# Altium PCB PCB1.PcbDoc (continued)
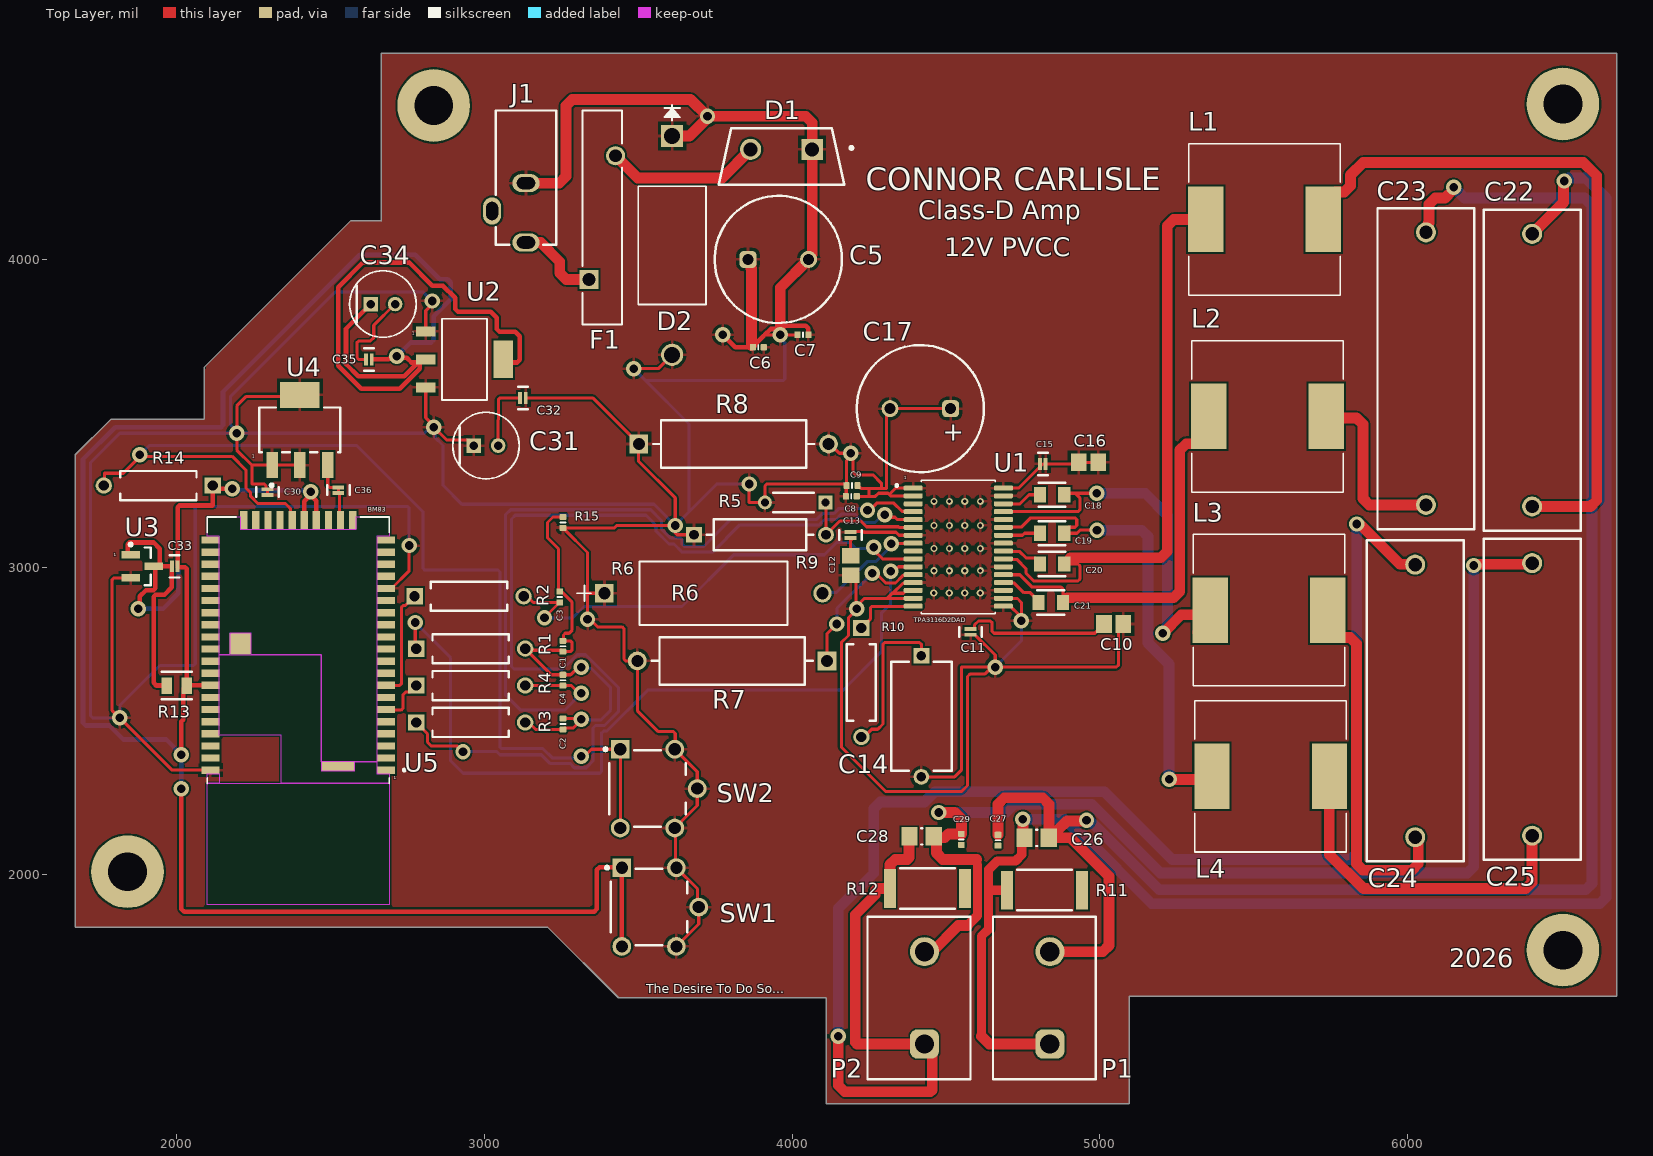
[diagram p0: Top Layer view]
## Part data
C1 C2 C3 C4: library part CMP-001-00068-4, "Chip Capacitor, 470pF +/-20%, 50V, 0402, Thickness 0.6 mm", Case/Package=0402, Max Operating Temperature=85°C, Min Operating Temperature=-55°C, Tolerance=20%, Voltage Rating=50V, Mounting Technology=SMT, Pins=2
C5 C17: library part CMP-03913-54007218-1, "860010475017 Aluminum Electrolytic Capacitor, Aluminum (wet)", Capacitance=1mF, Case/Package=Radial, Leakage Current=250µA, Max Operating Temperature=85°C, Min Operating Temperature=-40°C, Ripple Current=1.05A, Tolerance=20%, Voltage Rating=25V, Diameter=10mm, Height=20mm, Height - Seated (Max)=21.4884mm, Lead Pitch=5.0038mm, Length=20mm, Life (Hours)=2000hours, Material=Aluminium, Mount="Through Hole", NexarPartId=54007218, Packaging="Cut Tape (CT)", Pitch=5mm, Polarity=Polar, REACH SVHC=Unknown, RoHS=Compliant, Voltage Rating (DC)=25V
C6 C8: library part CMP-001-00063-3, "Chip Capacitor, 1µF +/-20%, 10V, 0402, Thickness 0.6 mm", Case/Package=0402, Max Operating Temperature=85°C, Min Operating Temperature=-55°C, Tolerance=10%, Voltage Rating=10V, Mounting Technology=SMT, Pins=2
C7 C9: library part CMP-001-00065-4, "Chip Capacitor, 100nF +/-20%, 25V, 0402, Thickness 0.6 mm", Case/Package=0402, Max Operating Temperature=85°C, Min Operating Temperature=-55°C, Tolerance=10%, Voltage Rating=25V, Mounting Technology=SMT, Pins=2
C10 C12 C16: library part CMP-2007-04663-1, "1 microfarad", Manufacturer="AVX Interconnect / Elco", Part Number=0805YD105MAT2A
C11 C13 C15 C30 C32 C33 C35 C36: library part CMP-14477-001862-2, ".1 microfarad", Capacitance=100nF, Tolerance=20%, Voltage Rating (DC)=6.3V, Halogen Free="Halogen Free", RoHS Compliant=Yes
C14: library part CMP-02417-000063-1, "CAP CER 1000PF 760VAC Y5U RADIAL", Capacitance=1nF, Case/Package=Radial, Dielectric=Y5U, Max Operating Temperature=125°C, Min Operating Temperature=-40°C, Package Quantity=500, Resistor Type=Ceramic, Tolerance=20%, Voltage=500V, Construction=RADIAL, Contact Plating=Tin, Depth=5mm, Diameter=9mm, Height=12mm, Height - Seated (Max)=0.512inch, Lead Diameter=0.6mm, Lead Pitch=10mm, Lead/Base Style=Kinked, Mount="Through Hole", Packaging="Tape and Reel", Radiation Hardening=No, RoHS Compliant=Yes, Series=VY1, Termination=Radial, Voltage Rating (AC)=500V, Voltage Rating (DC)=500V
C18 C19 C20 C21: library part CMP-04427-012849-1, "Automotive Ceramic Capacitor, 0805, 220nF, 10%, X7R, 15%, 100V", Capacitance=220nF, Case/Package=0805, Dielectric=X7R, Max Operating Temperature=125°C, Min Operating Temperature=-55°C, Tolerance=10%, Voltage Rating (DC)=100V, Contact Plating=Tin, Length=2.01mm, Mount="Surface Mount", RoHS Compliant=Yes, Termination=Wraparound
C22 C23 C24 C25: library part CMP-03913-52220399-4, "Film Capacitor, WCAP-FTXX Series, 0.68 F, 10%, PP (Polypropylene), 310 VAC", Capacitance=680nF, Case/Package=Radial, Dielectric=PP, Insulation Resistance=14.71GΩ, Max Operating Temperature=105°C, Min Operating Temperature=-40°C, Tolerance=10%, Voltage Rating=310V, Dielectric Material=PP, Height=15mm, Height - Seated (Max)=15.494mm, Hole Diameter=1.1mm, Lead Pitch=22.5044mm, Length=26mm, Mount="Through Hole", Packaging=Bulk, Pin Length=18mm, Pitch=22.5mm, REACH SVHC=Unknown, RoHS=Compliant, Termination="PC Pins", Voltage Rating (AC)=310V, Voltage Rating (DC)=310V, Width=7.5mm
C26 C28: library part CMP-1036-04697-1, "CAP 680nF 16V ±10% 0805 (2012 Metric) Thickness 1.45mm SMD", Case-EIA=0805, Case-Metric=2012, Rated Voltage="16 V", Tolerance=Â±10%, Max Thickness="1.45 mm", Technology=SMT
C27 C29: library part CMP-001-00069-3, "Chip Capacitor, 10nF +/-20%, 50V, 0402, Thickness 0.6 mm", Case/Package=0402, Max Operating Temperature=85°C, Min Operating Temperature=-55°C, Tolerance=5%, Voltage Rating=50V, Mounting Technology=SMT, Pins=2
C31 C34: library part CMP-05427-000260-1, "Aluminum Electrolytic Capacitors (Radial Lead Type) AEC-Q200 Qualified 10uF ±20% 50V", Capacitance=10uF, Case/Package=Radial, Leakage Current=3uA, Max Operating Temperature=105°C, Min Operating Temperature=-55°C, Package Quantity=2000, Ripple Current=39mA, Tolerance=20%, Voltage Rating=50V, Construction=RADIAL, Contact Plating=Tin, Diameter=5mm, Height=11mm, Height - Seated (Max)=0.472inch, Lead Diameter=0.5mm, Lead Free="Lead Free", Lead Pitch=2.5mm, Lead/Base Style=Straight, Length=11mm, Life (Hours)=1000Hour, Mount="Through Hole", Packaging="Ammo Pack", Polarity=Polar, Radiation Hardening=No, RoHS Compliant=Yes, Series=NHG, Termination=Radial, Voltage Rating (DC)=50V
D1: library part CMP-00278-20838014-1, "MBR760 Diode Schottky 60V 7.5A 2-Pin(2+Tab) TO-220AC Rail", Average Rectified Current=7.5A, Case/Package=TO-220-2, Forward Voltage=750mV, Manufacturer Lifecycle Status=ACTIVE, Max Forward Surge Current (Ifsm)=150A, Max Operating Temperature=150°C, Max Repetitive Reverse Voltage (Vrrm)=60V, Max Reverse Leakage Current=500µA, Min Operating Temperature=-65°C, Current Rating=7.5A, Element Configuration=Single, Forward Current=7.5A, Lead Free="Lead Free", Lifecycle Status=Production, Max Reverse Voltage (DC)=60V, Max Surge Current=150A, Mount="Through Hole", NexarPartId=20838014, Number of Pins=2, Output Current=7.5A, Peak Non-Repetitive Surge Current=150A, Peak Reverse Current=500µA, Polarity=Standard, Radiation Hardening=No, RoHS=Compliant, Voltage Rating (DC)=60V, Weight=2.16g
D2: library part CMP-004-00035-2, "Diode TVS Single Uni-Dir 15.3V 1.5KW 2-Pin Case 41A-04 Box", Case/Package=Axial, Max Operating Temperature=150°C, Max Surge Current=59.5A, Min Operating Temperature=-65°C, Pins=2
F1: library part CMP-005-00015-1, "PTC Resettable Fuse 5A(hold) 10A(trip) 30V 40A 3W 14.5s 0.01Ohm Radial 17.4 X 3 X 24.9mm Bulk Automotive", Case/Package=Radial, Current Rating=5A, Max Operating Temperature=85°C, Min Operating Temperature=-40°C, Mounting Technology="PCB, Through Hole"
J1: library part CMP-1502-00185-3, "DC Power Jack Connector WR-DC, Male, Right Angled, THT, 2 A, 30 V", Color=Black, Current Rating=2A, Flammability Rating="UL94 V-0", Insulation Resistance=100MΩ, Max Operating Temperature=85°C, Min Operating Temperature=-40°C, Operating Supply Voltage=30V, Connector Type=Power, Contact Gender=Female, Contact Plating=Tin, Gender=Male, Housing Material=Polyamide, Mount="Through Hole", Packaging=Bulk, REACH SVHC=Unknown, RoHS=Compliant, Shielding=Unshielded, Termination="Through Hole", Voltage Rating=30V, Voltage Rating (DC)=30V
L1 L2 L3 L4: library part CMP-006-00021-1, "10ÂµH Shielded Wirewound Inductor 5.5A 20mOhm Max Nonstandard", Case/Package="Nonstandard Bourns - J.W. Miller", Availability=Unavailable, Component Type=Standard, Design Item ID=SRR1260-100M, MF="Bourns - J.W. Miller", MP=SRR1260-100M, Pins=2, Price=None, SnapEDA_Link=https://www.snapeda.com/parts/SRR1260-100M/Bourns%20-%20J.W.%20Miller/view-part/50172/?ref=snap, Source=SnapEDAsch.SchLib
P1 P2: library part CMP-1502-02400-3, "7.62MM Pitch Straight Pluggable Term Block, Pcb Header, Through Hole, 2 Way", Color=Green, Current=20A, Voltage=300V, Connector Type="PCB, Terminal Block", Contact Gender=Male, Contact Material=Brass, Gender=Male, Height=16mm, Lead Pitch=7.62mm, Length=8.5mm, Mount="Through Hole", Number of Contacts=2, Number of Levels=1, Number of Pins=2, Number of Positions Per Level=2, Number of Rows=1, Orientation=Vertical, Packaging=Box, Pitch=7.62mm, REACH SVHC=Unknown, RoHS=Compliant, Termination=Solder, Width=13.42mm
R1 R2 R3 R4: library part CMP-009-00048-4, "Axial Resistor, 1 KOhm, +/- 1%, 250 mW, -55 to 155 degC, 2-Pin THD, RoHS, Bulk", Case/Package=Axial, Manufacturer=Yageo, Max Operating Temperature=155°C, Min Operating Temperature=-55°C, Package Description="2-Pin Axial Lead, Dia 2.4 mm, Body Length 6.3 mm", Package Quantity=200, Package Reference=MFR-25, Power=250mW, Tolerance=1%, Voltage Rating=250V, Composition=CarbonFilm, Datasheet URL=http://www.yageo.com/documents/recent/Yageo%20LR_MFR_2013.pdf, Datasheet Version=Apr-13, Manufacturer URL=http://www.yageo.com/, Mounting Technology=TH, Packaging=Bulk, RoHS Compliant=True
R5: library part CMP-02408-000019-1, "RES 20K OHM 0.4W 1% AXIAL", Case/Package=Conformal, Max Operating Temperature=155°C, Max Power Dissipation=400mW, Min Operating Temperature=-55°C, Resistance=20kR, Resistor Type="Metal Film", Temperature Coefficient=50ppm/°C, Tolerance=1%, Construction=Cylindrical, Contact Plating=Tin, Diameter=1.6mm, Length=3.6mm, Military Standard=Not, Mount="Through Hole", Number of Terminations=2, Packaging="Tape and Reel", Power Rating=400mW, Radiation Hardening=No, RoHS Compliant=Yes, Series=MRS16, Technology="THIN FILM", Termination=Axial
R6: library part CMP-009-00180-2, "5.6k", Manufacturer_Name="TE Connectivity", Copyright="Copyright (C) 2026 Ultra Librarian. All rights reserved.", Design Item ID=6-1625890-6, Manufacturer_Part_Number=6-1625890-6, Source=6-1625890-6.SchLib
R7 R8: library part CMP-00030-42817933-1, "PR02000201003JA100 Fixed Resistor, Metal Film, 2W, 100000ohm, 500V, 5% +/-Tol, 250ppm/Cel, Through Hole Mount", Case/Package=Conformal, Max Operating Temperature=155°C, Min Operating Temperature=-55°C, Operating Supply Voltage=500V, Power Rating=2W, Resistance=100kΩ, Temperature Coefficient=250ppm/°C, Tolerance=5%, Composition="Metal Film", Contact Plating=Tin, Diameter=3.9mm, Lead Free="Lead Free", Length=12mm, Military Standard=Not, Mount="Through Hole", NexarPartId=42817933, Radiation Hardening=No, REACH SVHC="No SVHC", RoHS=Compliant, Schedule B="8533210090, 8533210090", Termination=Axial, Voltage Rating=500V, Voltage Rating (DC)=500V, Width=3.9mm
R9: library part CMP-00030-29520625-1, "PTF56250K00FZEB Res Metal Film 250kOhm 1% ± 5ppm/°C 1/8W Axial Leaded T/R", Case/Package=Axial, Max Operating Temperature=150°C, Min Operating Temperature=-55°C, Power Rating=125mW, Resistance=250kΩ, Temperature Coefficient=5ppm/°C, Tolerance=1%, Voltage Rating=300V, Composition="Metal Film", Height=2.54mm, Lead Diameter=640µm, Length=6.35mm, Mount="Through Hole", NexarPartId=29520625, RoHS=Compliant, Termination=Axial, Weight=350.003213mg
R10 R14: library part CMP-009-00047-4, "Axial Resistor, 10 KOhm, +/- 1%, 0.25 W, -55 to 155 degC, 2-Pin THD, RoHS, Bulk", Case/Package=Axial, Manufacturer=Yageo, Max Operating Temperature=155°C, Min Operating Temperature=-55°C, Package Description="2-Pin Axial Lead, Dia 2.4 mm, Body Length 6.3 mm", Package Quantity=200, Package Reference=MFR-25, Power=250mW, Tolerance=1%, Voltage Rating=250V, Datasheet URL=http://www.yageo.com/documents/recent/Yageo%20LR_MFR_2013.pdf, Datasheet Version=Apr-13, Manufacturer URL=http://www.yageo.com/, Mounting Technology=TH, Packaging=Bulk, RoHS Compliant=True
R11 R12: library part CMP-03913-130378563-3, "Res, 3R3, 1%, 1W, Thick Film, 2512 Rohs Compliant: Yes", Current Rating=550mA, Max Operating Temperature=155°C, Min Operating Temperature=-55°C, Resistance=3.3Ω, Voltage Rating=1.8166V, Height=600µm, Length=6.3mm, RoHS=Compliant, Width=3.2mm
R13: library part CMP-04015-010540-1, "4.7kΩ ±0.1% 0.125W, 1/8W Chip Resistor 0805 (2012 Metric) Moisture Resistant Thin Film"
R15: library part CMP-009-00062-2, "Jumper 0402 (1005 Metric)", Case/Package=0402, Mounting Technology=SMT, Pins=2
SW1 SW2: library part CMP-05618-000021-1, "SWITCH TACTILE SPST-NO 0.02A 15V", Actuator Color=White, Contact Current Rating=20mA, Contact Resistance=50mR, Max Operating Temperature=70°C, Max Voltage Rating (DC)=15V, Min Operating Temperature=-20°C, Operating Force=2.6N, Package Quantity=500, Actuator Length=0.4mm, Actuator Type=Standard, Current Rating=20mA, Electrical Life=50000Cycles, Illumination Type=Non-Illuminated, Lead Free="Lead Free", Mechanical Life=50000Cycles, Mount="Through Hole", Orientation=Straight, Packaging=Bulk, Radiation Hardening=No, RoHS Compliant=Yes, Series=EVQPB, Size=6mm, Switch Function=Off-Mom, Switch Travel=0.25mm, Termination="PC Pin", Throw Configuration=SPST, Voltage Rating (DC)=15V
U1: library part CMP-014-00003-1, "50-W stereo, 100-W mono, 4.5- to 26-V supply, analog input Class-D audio amplifier w/ SpeakerGuardâ„¢", Case/Package="HTSSOP-32 Texas Instruments", Check_prices=https://www.snapeda.com/parts/TPA3116D2DAD/Texas+Instruments/view-part/?ref=eda, Component Type=Standard, Design Item ID=TPA3116D2DAD, MF="Texas Instruments", MP=TPA3116D2DAD, Pins=32, SnapEDA_Link=https://www.snapeda.com/parts/TPA3116D2DAD/Texas+Instruments/view-part/?ref=snap, Source=TPA3116D2DAD.SchLib
U2: library part CMP-010-000000-6, "Regulador de tensÃ£o linear IC 1 Output 800mA SOT-223-4", Package="SOT-223-4 Texas Instruments", Availability=Unavailable, Component Type=Standard, Design Item ID=LM1117-3.3, MF="Texas Instruments", MP=LM1117-3.3, Pin Count=4, Price=None, SnapEDA_Link=https://www.snapeda.com/parts/LM1117-3.3/Texas%20Instruments/view-part/549181/?ref=snap, Source=SnapEDAsch.SchLib
U3: library part CMP-019-00050-1, "Microchip MCP111T-270E/TT, Voltage Supervisor 2.564 to 2.696 V, 3-PIN SOT-23B", Case/Package=SOT-23, Max Operating Temperature=125°C, Max Supply Voltage=5.5V, Min Operating Temperature=-40°C, Min Supply Voltage=1V, Nominal Supply Current=1µA, Mounting Technology="Surface Mount", Pins=3
U4: library part CMP-04917-000022-1, "IC REG LINEAR 5V 1.5A SOT223-4", Dropout Voltage=2V, Manufacturer="Texas Instruments", Max Junction Temp=+150°C, Max Supply Voltage=30V, Min Supply Voltage=7.5V, Nominal Supply Current=8mA, Output Current=1.5A, Output Voltage=5V, Package=SOT223-4, Temperature="0°C to +125°C", Temperature Range High=+125°C, Temperature Range Low=0°C, Accuracy Percentage=3%, Automotive=No, Category=IC, ComponentLink2Description=Datasheet, ComponentLink2URL=http://www.ti.com/lit/ds/symlink/lm7800.pdf, Device Class L1="Integrated Circuits (ICs)", Device Class L2="Power Management ICs", Device Class L3="Voltage Regulators - Linear", Digikey Description="IC REG LINEAR 5V 1.5A SOT223-4", Height=1.8mm, Lead Free=Yes, Manufacturer Part Number=LM7805MPX/NOPB, Number Of Outputs=1, Octopart=https://octopart.com/lm7805mpx%2Fnopb-texas+instruments-74629992, Output Type=Fixed, RoHS=TRUE, Standoff Height=0.02mm
U5: library part CMP-008-000000-1, "Bluetooth Bluetooth v5.0 Transceiver Module 2.4GHz ~ 2.48GHz PCB Trace Surface Mount", Package=None, Check_prices=https://www.snapeda.com/parts/BM83SM1-00AA/Microchip/view-part/?ref=eda, Component Type=Standard, Design Item ID=BM83SM1-00AA, MF="Microchip Technology", MP=BM83SM1-00AA, Pin Count=52, SnapEDA_Link=https://www.snapeda.com/parts/BM83SM1-00AA/Microchip/view-part/?ref=snap, Source=BM83SM1-00AA.SchLib

## Free pads (board coordinates)
  round 236.22 hole 125.98: 1(2835,4500) 2(6505,4505) 3(1840,2010) 4(6505,1755)

## Via types
v1: diameter 50, hole 28, Top Layer to Bottom Layer, 49 vias
v2: diameter 23.62, hole 11.81, Top Layer to Bottom Layer, 20 vias

## Nets (pads, with @x,y where several pads share a name; then routed paths per layer and width w, separated by ;. In a path a pad name is that pad's centre, name@x,y a point inside that pad or via, vN(x,y) a via of type N, cw(c..) or ccw(c..) an arc to the next point about the centre after c; other vN are vias at no path point)
3v3: C33.1 C33.2 C34.1 C35.2 R13.1 R13.2 R14.1 SW1.A SW1.A' U2.2 U2.4 U3.1 U3.3 U5.24 U5.25 U5.43 | length 10430.4
  Top Layer w15: U3.1 1846.81,3039.96 1840,3046.77 1840,3074.14 1845.86,3080 1925,3080 1945,3060 U3.3@1945,3006.93 ; v1(1875,2865) 1880,2870 1880,2905 1900,2925 1924.14,2925 1930,2930.86 1930,2995.75 1941.18,3006.93 U3.3@1945,3006.93 ; R13.1 1933.79,2615 1925,2623.79 1925,2904.14 1930.86,2910 1960,2910 1983.89,2933.89 C33.1 1949.37,3002.56 U3.3@1945,3006.93 ; v1(2015,2280) 2015,1888.79 2023.79,1880 3356.21,1880 3365,1888.79 3365,2016.21 3373.79,2025 3444.37,2025 SW1.A SW1.A' ; v1(2015,2390) 2015,2498.06 2020.66,2503.72 2020.66,2587.02 2023.16,2589.52 2023.16,2605.66 R13.2 2032.5,2994.14 2026.64,3000 2003.76,3000 2002.44,3001.32 C33.2 2002.44,3194.14 2008.3,3200 2117.17,3200 R14.1 2127.17,3255 v1(2180,3255) ; R13.2@2033.09,2615.59 U5.43 ; U5.25 2414.25,3213.43 v1@2435,3234.18 ; U5.24 2453.62,3215.55 v1@2435,3234.18 ; C34.1 2550,3774.37 2550,3660 2590,3620 2739,3620 2782.5,3663.5 2781,3665 2762.89,3665 2747.53,3680.36 2719.64,3680.36 v1(2715,3685) 2708.3,3678.3 2692.02,3678.3 2688.71,3675 C35.2@2639.16,3675 ; U2.2@2789.79,3663.5 2789.79,3644.79 2725,3580 2600,3580 2525,3655 2525,3910 2605,3990 2755,3990 2830,3915 2865,3915 2905,3875 2905,3838.79 2913.79,3830 3020,3830 3040,3810 3040,3773.79 3048.79,3765 3100,3765 3115,3750 3115,3673.79 3106.21,3665 3071,3665 U2.4 ; U2.2@2789.79,3665 2789.79,3666 U2.2@2798.79,3675 ; U2.2@2793.89,3670.11 U2.2@2798.79,3675 ; U2.2@2795.89,3675 U2.2 U2.2@2798.79,3675 ; v1@2435,3234.18 v1(2435,3245) v1@2435,3234.18
  Bottom Layer w15: v1(1875,2865) 1955,2865 2005,2915 2005,3000 2002.44,3002.56 ; v1(2015,2280) v1(2015,2390) 1965.41,2439.59 1825.41,2439.59 1780,2485 1703.79,2485 1695,2493.79 1695,3350 1800,3455 2144.14,3455 2150,3460.86 2150,3570 2595,4015 2775,4015 2855,3935 2881.21,3935 2890,3926.21 2890,3870 2835,3815 2835,3738.79 2826.21,3730 2760,3730 v1(2715,3685) ; v1(2180,3255) 2185,3250 2430,3250 v1(2435,3245)
GND: C5.1 C5.2 C6.1 C6.2 C7.1 C7.2 C8.1 C8.2 C9.1 C9.2 C10.2 C11.2 C12.2 C13.2 C14.2 C15.1 C15.2 C16.1 C16.2 C17.1 C17.2 C30.1 C30.2 C31.1 C32.2 D1.1 D2.1 D2.2 J1.2 R5.2 R6.1 R7.2 R8.1 R8.2 R9.1 R15.1 SW1.1 SW1.B SW1.B' SW2.1 SW2.B SW2.B' U1.1 U1.2 U1.7 U1.9 U1.13 U1.14 U1.15 U1.17 U1.18 U1.19 U1.22 U1.25 U1.28 U1.31 U1.32 U2.1 U2.3 U3.2 U4.1 U4.2 U4.4 U5.16 U5.50 | length 21098
  Top Layer w10: U3.2 1795.86,2965.16 1790,2959.3 1790,2533.28 1813.28,2510 v1(1815,2510) 1985,2340 U5.50 ; C30.1 C30.2 2291.32,3252.83 2290,3254.15 2290,3264.14 2284.14,3270 2245,3270 2245,3330 2243.35,3331.65 ; U4.2 U4.1 2243.35,3331.65 ; U4.4 2395,3555 2225.86,3555 2195,3524.14 v1(2195,3435) 2195,3380 2243.35,3331.65 ; U5.16 2697.72,2930.55 2755,2987.83 v1(2755,3070) ; U2.1 2809,3833.18 2830,3854.18 v1(2830,3865) ; U2.3@2824,3584 U2.3 2809,3485.57 2835,3459.57 v1(2835,3455) 2876.38,3413.62 2947.01,3413.62 2956.24,3404.39 C31.1@2956.24,3385.61 ; C32.2@3137.05,3550 3351.73,3550 R8.1@3485,3416.73 ; R15.1 R15.1@3255.98,3127.28 ; v1@3341.34,2836.34 v1(3335,2830) ; R6.1 3335,2915 ; v1@3475,3645 v1(3485,3645) 3565,3645 D2.2 ; R8.1 3500,3398.27 3500,3345 3620,3225 v1(3620,3135) ; SW1.B' 3696.42,1839.88 SW1.1 3692.22,1899.2 3692.22,1954.32 SW1.B 3621.08,2025.45 3621.08,2149.55 SW2.B' 3691.42,2224.88 SW2.1 3691.42,2335.12 SW2.B 3620,2409.37 3620,2459.14 3614.14,2465 3565,2465 3496.73,2533.27 R7.2 3459.26,2695 3453.4,2700.86 3453.4,2799.89 3447.54,2805.74 3367.31,2805.74 3343.06,2830 v1(3335,2830) ; R9.1 3625.86,3105 3620,3110.86 v1(3620,3135) ; v1@3725,4460 v1(3725,4465) ; v1(3860,3270) 3860,3210 R5.2 3911.57,3264.14 3917.43,3270 4172.44,3270 C9.1@4175.93,3266.52 ; C6.1@3867.44,3719.84 C6.1 ; 3911.05,3755 3938.98,3755 v1(3961.14,3755) ; 3975,3785 3975,3779.68 3961.14,3765.82 v1(3961.14,3755) ; C7.2 v1(3961.14,3755) ; D1.1@4035.55,4386.99 D1.1 ; R8.2 4123.43,3400 4153.43,3370 v1(4190,3370) ; C8.1 4175.93,3231.36 C9.1@4175.93,3266.52 ; C9.1 4177.28,3265.16 C9.1@4175.93,3266.52 ; C9.1@4177.28,3270 4177.28,3346.46 4190,3359.18 v1(4190,3370) ; C12.2 4206.84,2956.66 v1@4206.84,2873.74 ; C13.2@4200,3116.32 4230.89,3116.32 4233.98,3113.23 4337.63,3113.23 4347.47,3103.39 4392.2,3103.39 U1.7@4393.23,3102.36 ; v1(4210,2865) 4210,2862.68 4182.87,2835.56 4182.87,2777.87 4160,2755 4160,2415 4305,2270 4550,2270 4570,2290 4570,2644.14 4579.06,2653.2 4627.38,2653.2 4649.18,2675 4550,2675 4550,2340 4528.15,2318.15 C14.2 ; v1@4210,2873.74 4233.58,2897.32 4307.4,2897.32 ; C8.2 4250,3230 ; C9.2 4212.72,3264.02 4217.56,3259.17 4219.83,3259.17 4223.42,3255.59 4250,3255.59 ; U1.15@4393.54,2897.32 4307.4,2897.32 ; U1.14 4370.71,2924.25 4367.64,2921.18 4367.64,2920.86 4361.78,2915 4327.46,2915 ; U1.13@4393.54,2948.5 4391.81,2946.77 4359.23,2946.77 4327.46,2915 ; U1.2 4319.71,3231.34 4315.38,3235.67 ; U1.1 4336.64,3256.93 4315.38,3235.67 ; C17.1 C17.2 4318.15,3502.79 4307.09,3491.73 4307.09,3255.59 4292.94,3255.59 ; C11.2@4593.45,2779.37 4594.14,2778.68 4595.6,2778.68 4660,2714.28 v1(4660,2675) 5054.14,2675 5060,2680.86 5060,2798.5 C10.2 ; U1.17 4709.29,2873.07 4737.35,2845.02 4737.35,2832.65 v1(4745,2825) 4745,2885 4732.36,2897.64 4687.48,2897.64 U1.18 ; U1.32 4736.38,3256.93 4814.76,3335.32 C15.2 4926.77,3335.32 C16.1 C16.2 ; R15.1@3255.98,3127.28 3422.28,3127.28 3430,3135 v1(3620,3135) ; R15.1@3255.98,3127.28 3260.83,3122.44 3260.83,3121.46 3335,3047.28 3335,2915 ; v1(3335,2830) 3335,2915 ; v1(4190,3370) 4197.28,3362.72 4197.28,3308.57 4205.86,3300 4262.68,3300 4289.87,3272.8 4289.87,3258.66 4292.94,3255.59 ; 4250,3230 4270.58,3230 4280.58,3240 4311.05,3240 4315.38,3235.67 ; 4250,3230 4250,3255.59 ; 4250,3255.59 4292.94,3255.59 ; 4307.4,2897.32 4325.08,2915 4327.46,2915
  Top Layer w15: v1(3775,3755) 3815,3715 C6.1 ; C6.1@3872.28,3715.98 3908.15,3751.85 ; 3911.05,3755 3929.88,3773.83 3942.31,3773.83 v1@3948.8,3767.34 ; 3975,3785 4043.93,3785 4052.72,3776.21 C7.1
  Top Layer w35: J1.2@3165,4247.91 3242.91,4247.91 3265,4270 3265,4499.5 3285.5,4520 3670,4520 v1(3725,4465) ; D2.1 3666.02,4401.02 v1@3725,4460 ; v1@3731.93,4465 4044.5,4465 4065,4444.5 D1.1 4065,4017.02 4053.43,4005.44 C5.2 3961.14,3907.72 3961.14,3779.68 v1@3961.14,3765.82 ; C5.1 3866.63,3989.94 3866.63,3970.25 3867.44,3969.44 C6.1@3867.44,3719.84
  Bottom Layer w10: v1(2755,3070) 2755,3191.41 2749.14,3197.27 2060,3197.27 2060,2685.86 2054.14,2680 1945,2680 1815,2550 v1(1815,2510) 1725.86,2510 1720,2515.86 1720,3340 1815,3435 v1(2195,3435) ; v1(2830,3865) 2801.38,3893.62 2513.62,3893.62 2175,3555 2175,3460.86 2195,3440.86 v1(2195,3435) ; v1(3485,3645) 3524.1,3605.9 ; v1(3860,3270) 3755,3270 3665,3180 ; v1(3961.14,3755) 3961.14,3744.18 3975.9,3729.42 3975.9,3611.76 3970.04,3605.9 3524.1,3605.9 ; v1(4660,2675) 4745,2760 v1(4745,2825) ; v1(2195,3435) 2804.18,3435 2824.18,3455 v1(2835,3455) 2838.28,3451.72 2838.28,3421.72 2865,3395 2865,3265.86 2926.6,3204.26 3550.74,3204.26 v1(3620,3135) 3665,3180 ; 3524.1,3605.9 3665,3465 3665,3180
  other v2: 4460.58,2915.74 4510.58,2915.74 4560.58,2915.74 4611.34,2915.87 4461.16,2988.41 4511.16,2988.41 4561.16,2988.41 4611.92,2988.55 4461.16,3060.23 4511.16,3060.23 4561.16,3060.23 4611.92,3060.36 4461.16,3135.23 4511.16,3135.23 4561.16,3135.23 4611.92,3135.36 4461.16,3213.41 4511.16,3213.41 4561.16,3213.41 4611.92,3213.55
NetC3_1: C3.1 R2.2 U1.10 | length 1529.5
  Top Layer w10: R2.2 3138.84,2905 3158.84,2885 C3.1 3244.02,2885 3195,2835.98 v1(3195,2835) ; v1(4265,3065) 4265,3055 4293.39,3026.61 U1.10
  Bottom Layer w10: v1(3195,2835) 3286.44,2835 3323.56,2872.13 3642.13,2872.13 3810,3040 4105,3040 4145,3080 4187.09,3080 4207.09,3060 4260,3060 v1(4265,3065)
NetC4_1: C4.1 R4.2 U1.4 | length 2549
  Top Layer w10: R4.2 3132.38,2614.78 3254.78,2614.78 C4.1 3283,2614.57 3307.57,2590 v1(3315,2590) ; v1(4245,3185) 4252.11,3185 4274.98,3207.87 4330.69,3207.87 4357.06,3181.5 4392.2,3181.5 U1.4
  Bottom Layer w10: v1(3315,2590) 3260,2535 3117.87,2535 3067.87,2585 3067.87,3169.26 3085,3186.38 3540,3186.38 3575,3151.38 3575,3125 3605.86,3094.14 3636.54,3094.14 3642.4,3088.28 3642.4,3074.08 3649.94,3066.54 3711.79,3066.54 3800.25,3155 4080.33,3155 4099.81,3174.49 4136.4,3174.49 4150,3188.09 4150,3189.14 4150.86,3190 4240,3190 v1(4245,3185)
NetC10_1: C10.1 C11.1 | length 499.1
  Top Layer w10: C11.1 4591.54,2798.55 4592.86,2799.88 4592.86,2812.37 4605.49,2825 4644.14,2825 4650,2819.14 4650,2790.86 4655.86,2785 4983.5,2785 4989.96,2791.46 4992.91,2791.46 5013.5,2812.05 C10.1
NetC12_1: C12.1 C13.1 | length 57.8
  Top Layer w10: C12.1 4190,3087.23 C13.1@4195,3092.23
NetC14_1: C14.1 R10.2 | length 513.8
  Top Layer w10: R10.2 4233.37,2447.83 4258.58,2473.05 4278.05,2473.05 4295,2490 4295,2749.14 4300.86,2755 4414.14,2755 4420,2749.14 C14.1
NetC18_1: C18.1 U1.30 | length 131.9
  Top Layer w10: U1.30 4687.2,3205 4740,3205 4770,3235 C18.1
NetC18_2: C18.2 L3.1 U1.29 | length 1327.7
  Top Layer w10: U1.29 4686.61,3180 4929.14,3180 4935,3185.86 4935,3225 4925,3235 ; C18.2 4889.37,3240 v1(4990,3240)
  Top Layer w35: v1(5205,2785) 5265,2845 L3.1@5359.06,2845 ; L3.1@5319.47,2788.28 5359.06,2827.87 L3.1
  Bottom Layer w35: v1(4990,3240) 5147.35,3240 5220,3167.35 5220,2804.06 5205,2789.06 v1(5205,2785)
NetC19_1: C19.1 L4.1 U1.27 | length 1572.4
  Top Layer w10: U1.27 4687.48,3130 4745,3130 4775,3160 4919.14,3160 4925,3154.14 4925,3135.46 4919.14,3129.61 4899.05,3129.61 4884.37,3114.92 C19.1 4925.63,3110 4935.63,3120 v1(4990.63,3120) ; L4.1@5354.06,2310 L4.1
  Top Layer w35: v1(5225,2310) L4.1@5354.06,2310
  Bottom Layer w35: v1(4990.63,3120) 5136.09,3120 5156.59,3099.5 5156.59,2753.41 5225,2685 v1(5225,2310)
NetC19_2: C19.2 U1.26 | length 121.9
  Top Layer w10: U1.26 4748.39,3103.39 4755,3110 C19.2
NetC20_1: C20.1 U1.24 | length 139.5
  Top Layer w10: U1.24 4688.66,3050 4740,3050 4760.39,3029.61 4790.95,3029.61 4805.63,3014.92 C20.1
NetC20_2: C20.2 L1.1 U1.23 | length 1931.9
  Top Layer w10: U1.23 4688.07,3025 4730,3025 4760,2995 4760,2980.28 4785.28,2955 4929.14,2955 4935,2960.86 4935,3004.14 4929.14,3010 C20.2 4884.37,3014.92 4899.05,3029.61 4904.52,3029.61 4904.91,3030
  Top Layer w35: 4904.91,3030 5198.59,3030 5219.09,3050.5 5219.09,4108.59 5240.5,4130 L1.1
NetC21_1: C21.1 L2.1 U1.21 | length 1279.8
  Top Layer w10: U1.21 4686.89,2975 4740,2975 4780,2935 4874.14,2935 4880,2929.14 4880,2900 C21.1@4880,2885.31 ; C21.1 C21.1@4880,2885.31 ; C21.1@4894.69,2900 C21.1@4880,2885.31
  Top Layer w35: C21.1@4894.69,2900 5239.5,2900 5260,2920.5 5260,3380.7 5280.5,3401.2 5314.47,3401.2 5354.06,3440.79 L2.1
NetC21_2: C21.2 U1.20 | length 144.5
  Top Layer w10: U1.20 4688.52,2947.78 4722.22,2947.78 4752.87,2917.13 4774.06,2917.13 4801.26,2889.92 C21.2
NetC22_1: C22.1 L1.2 | length 2305.4
  Top Layer w35: L1.2 5725.94,4179.21 5765.53,4218.8 5794.5,4218.8 5815,4239.3 5815,4274.14 5855.86,4315 6571.57,4315 6615,4271.57 6615,3217.59 6594.5,3197.09 C22.1
NetC22_2: C22.2 C26.1 P1.1 R11.1 | length 5707.5
  Top Layer w30: 4615,1475.5 4615,1800 4638.54,1823.54 4638.54,1950 ; R11.1 4638.54,1950 ; C26.1@4746.24,2096.24 4746.24,2065.5 4725.74,2045 4666.41,2045 4638.54,2017.14 4638.54,1950
  Top Layer w35: 4615,1475.5 4640.5,1450 P1.1@4815,1450 ; C26.1@4750,2125.32 v1(4750,2180.69) ; C22.2 6507.13,4185.04 6507.13,4252.13 v1(6510,4255)
  Bottom Layer w35: v1(4750,2180.69) 4884.29,2180.69 4936.67,2128.31 4946.69,2128.31 5168.91,1906.09 6624.5,1906.09 6645,1926.59 6645,4200 6580,4265 6524.06,4265 6514.06,4255 v1(6510,4255)
NetC23_1: C23.1 L2.2 | length 585
  Top Layer w35: L2.2 5740.94,3485 5834.5,3485 5855,3464.5 5855,3222.59 5875.5,3202.09 C23.1
NetC23_2: C23.2 C26.2 C27.2 P1.2 | length 5867.2
  Top Layer w10: C26.2 C26.2@4835,2120.94 ; C26.2@4835.94,2120 C26.2@4835,2120.94 ; 4863.5,2145.51 4855.63,2145.51 4835,2124.88 C26.2@4835,2120.94 ; v1@4949.06,2184.37 v1(4956.72,2176.72)
  Top Layer w35: C27.2 4669.06,2229.5 4689.56,2250 4814.5,2250 4835,2229.5 C26.2@4835,2124.88 ; P1.2@4815,1750 5009.5,1750 5030,1770.5 5030,1995 4905,2120 C26.2@4835.94,2120 ; 4863.5,2145.51 4892.99,2175 v1@4956.72,2175 ; C23.2 6065.73,4093.65 6065.73,4114.83 6070,4119.1 6070,4179.5 6090.5,4200 6122,4200 6147.13,4225.13 6147.13,4232.13 v1(6150,4235)
  Bottom Layer w10: v1(4956.72,2176.72) v1@4967.54,2176.72
  Bottom Layer w35: v1@4967.54,2176.72 5193.22,1951.04 6579.5,1951.04 6600,1971.54 6600,4175 6575,4200 6185,4200 v1(6150,4235)
NetC24_1: C24.1 L3.2 | length 1191.1
  Top Layer w35: L3.2 5740.94,2810.79 5780.53,2771.2 5813.99,2771.2 5834.5,2750.7 5834.5,2035.5 5855,2015 6014.5,2015 6035,2035.5 6035,2103.98 6025,2113.98 C24.1
NetC24_2: C24.2 C28.1 P2.1 R12.1 | length 5460.8
  Top Layer w10: C28.1@4380,2123.74 C28.1 ; C24.2@6024.61,3008.3 C24.2
  Top Layer w35: v1(4150,1475) 4150,1315.86 4170.86,1295 4449.14,1295 4455,1300.86 4455,1450 P2.1 4210.86,1450 4205,1455.86 4205,1870 4270,1935 4270,1949.14 4275.86,1955 R12.1 4317.95,2032.95 4335,2050 4374.14,2050 4380,2055.86 C28.1@4380,2123.74 ; v1(5835,3140) 5837.87,3137.13 5847.87,3137.13 5975.95,3009.05 6023.87,3009.05 C24.2@6024.61,3008.3
  Bottom Layer w35: v1(4150,1475) 4150,1890 4265,2005 4265,2215 4285.5,2235.5 4286.65,2236.65 4430.52,2236.65 4463.88,2270 5015,2270 5235,2050 5814.5,2050 5835,2070.5 v1(5835,3140)
NetC25_1: C25.1 L4.2 | length 1119
  Top Layer w35: L4.2 5745.94,2066.21 5857.15,1955 6384.5,1955 6405,1975.5 C25.1
NetC25_2: C25.2 C28.2 C29.2 P2.2 | length 3804.6
  Top Layer w10: C28.2 C28.2@4465,2120
  Top Layer w30: 4570,1835 4602.64,1867.64 4602.64,2032.01
  Top Layer w35: P2.2@4455,1750 4540,1835 4570,1835 ; C28.2@4461.06,2120 4469.07,2111.99 4469.07,2070.5 4489.58,2050 4600,2050 ; C28.2@4465,2120 4495,2120 4507.72,2132.72 C29.2 4550,2182.21 4529.5,2202.72 4477.27,2202.72 v1(4476.77,2202.22) ; v1(6215,3005) 6219.06,3005 6223.02,3008.96 6401.04,3008.96 C25.2
  Bottom Layer w35: v1(4476.77,2202.22) 4694.2,2202.22 4721.07,2229.09 4972.79,2229.09 4981.2,2220.69 4981.42,2220.69 5196.7,2005.41 5807.1,2005.41 6194.5,2005.41 6215,2025.91 v1(6215,3005)
NetC31_2: C31.2 C32.1 | length 222.6
  Top Layer w10: C31.2 3044.37,3478.65 3045,3479.28 3045,3544.14 3050.86,3550 C32.1
NetC34_2: C34.2 C35.1 | length 275.5
  Top Layer w10: C35.1@2610,3675 2590.86,3675 2585,3680.86 2585,3729.14 2590.86,3735 2629.18,3735 2640,3745.82 2640,3785.63 C34.2
NetC36_1: C36.1 C36.2 U4.3 U5.22 | length 207.1
  Top Layer w10: U4.3 2490.55,3265.13 2496.41,3259.28 C36.2 C36.1 ; C36.1@2528.41,3236.52 2528.41,3156.95 U5.22
NetD1_2: D1.2 F1.2 | length 507.2
  Top Layer w35: F1.2 3498,4265 3772.46,4265 D1.2
NetF1_1: F1.1 J1.1 | length 246.5
  Top Layer w35: J1.1@3165,4055 3182.74,4055 3245,3992.74 3245,3955.5 3265.5,3935 F1.1
NetR1_1: R1.1 U1.11 | length 2590.1
  Top Layer w10: v1(2775,2820) 2775,2737.83 R1.1 ; v1(4320,2986.38) 4330.82,2986.38 4345.47,3001.02 U1.11
  Bottom Layer w10: v1(2775,2820) 2890,2705 2890,2370 2930,2330 3374.14,2330 3380,2335.86 3380,2460 3387.13,2467.13 3397.4,2467.13 3530.28,2600 4165,2600 4290,2725 4290,2850 4320,2880 v1(4320,2986.38)
NetR2_1: R2.1 U5.8 | length 358.6
  Top Layer w10: U5.8 2680.59,2615 2724.14,2615 2730,2620.86 2730,2869.14 2735.86,2875 2742.83,2875 R2.1
NetR3_1: R3.1 U1.5 | length 3294.6
  Top Layer w10: R3.1 2815,2457.83 2815,2430.86 2827.93,2417.93 2912.07,2417.93 v1(2930,2400) ; v1(4300.83,3169.77) 4308.49,3162.12 4333.71,3162.12 4341.26,3154.57 U1.5
  Bottom Layer w10: v1(2930,2400) 3040.58,2400 3050.58,2390 3184.72,2390 3212.6,2362.13 3277.87,2362.13 3292.13,2347.87 3330.69,2347.87 3352.87,2370.06 3352.87,2477.02 3360.86,2485 3390,2485 3435,2530 3435,2608.56 3328.56,2715 3301.44,2715 3255,2668.56 3095.86,2668.56 3087.72,2676.7 3087.72,3156.22 3100,3168.51 3525,3168.51 3555,3138.51 3555,3130 3557.13,3127.87 3557.13,3117.6 3599.72,3075 3616.2,3075 3642.54,3048.66 3741.54,3048.66 3830,3137.13 4087.73,3137.13 4105.23,3154.63 4142.5,3154.63 4160,3172.13 4204.31,3172.13 4231.44,3145 4269.04,3145 4293.81,3169.77 v1(4300.83,3169.77)
NetR4_1: R4.1 U5.6 | length 157.6
  Top Layer w10: U5.6 2681.85,2535 2729.14,2535 2735,2540.86 2735,2585 2743.43,2593.43 2756.26,2593.43 R4.1
NetR5_1: R5.1 R9.2 U1.6 | length 416.5
  Top Layer w10: R5.1 4110,3208.43 R9.2 4155,3150 4222.49,3150 4241.39,3131.1 4345.03,3131.1 4347.16,3128.98 U1.6
NetR6_2: R6.2 U1.8 | length 366.4
  Top Layer w10: v1(4321.94,3075.35) 4323.16,3076.57 4392.32,3076.57 U1.8
  Bottom Layer w10: R6.2 4100.88,2917.22 4143.66,2917.22 4244.31,3017.87 4271.44,3017.87 4321.94,3068.38 v1(4321.94,3075.35)
NetR7_1: R7.1 U1.12 | length 503.5
  Top Layer w10: R7.1 4113.27,2783.27 v1(4145,2815) ; v1(4260,2980) 4267.65,2972.35 4280.47,2972.35 4304.31,2948.5 4335.69,2948.5 4359.55,2972.36 4390.47,2972.36 U1.12
  Bottom Layer w10: v1(4145,2815) 4145.82,2815.82 4145.82,2865.82 v1(4260,2980)
NetR10_1: R10.1 U1.16 | length 218.6
  Top Layer w10: R10.1 4255.22,2832.38 4255.22,2868.66 4258.29,2871.73 U1.16@4393.54,2871.73
NetR14_2: R14.2 SW2.A SW2.A' U5.26 | length 3529.2
  Top Layer w10: R14.2 1765,3267.17 1765,3305 1826.42,3305 1880,3358.58 v1(1880,3365) 1885,3360 2180,3360 2225,3315 2225,3256.72 2240,3241.72 2240,3230 2263.13,3206.87 2352.51,3206.87 2369.36,3190.02 2369.36,3158.51 U5.26 ; v1(3315,2385.75) 3325.82,2385.75 3348.03,2407.95 SW2.A SW2.A'
  Bottom Layer w10: v1(1880,3365) 1910,3395 2585,3395 2800,3180 2800,2995.86 2805.86,2990 3044.14,2990 3050,2984.14 3050,2415.86 3055.86,2410 3190,2410 3220,2380 3309.25,2380 v1(3315,2385.75)
SGND: C1.1 C1.2 C2.1 C2.2 C3.2 C4.2 R1.2 R3.2 R15.2 | length 1506.8
  Top Layer w10: R3.2 3143.84,2495 3166.56,2472.28 C2.1 3259.84,2477.13 3288.48,2477.13 3313.67,2502.32 3308.27,2507.72 C2.2 ; R1.2 R1.2@3137.32,2729.84 ; C3.2 3240.83,2924.61 3240.83,3059.17 3205,3095 3205,3145 3222.72,3162.72 R15.2 ; C3.2@3247.5,2922.94 3285,2885.44 3285,2795 3275,2785 3262.59,2785 3256.73,2779.14 3256.73,2762.16 C1.2 3279.14,2760.43 3285,2754.58 3285,2730.86 3279.14,2725 C1.1 3250.16,2729.84 R1.2@3137.32,2729.84 ; C4.2 3217.17,2650 R1.2@3137.32,2729.84 ; C4.2@3255.98,2650 3280,2650 3310,2680 v1@3320,2680
  Bottom Layer w10: v1@3315,2503.64 3378.64,2503.64 3410,2535 3410,2607.79 3347.18,2670.61 3319.39,2670.61 v1(3315,2675)
  other v1: 3315,2505
pads on no net: C27.1 C29.1 J1.3 R11.2 R12.2 U1.3 U5.1 U5.2 U5.3 U5.4 U5.5 U5.7 U5.9 U5.10 U5.11 U5.12 U5.13 U5.14 U5.15 U5.17 U5.18 U5.19 U5.20 U5.21 U5.23 U5.27 U5.28 U5.29 U5.30 U5.31 U5.32 U5.33 U5.34 U5.35 U5.36 U5.37 U5.38 U5.39 U5.40 U5.41 U5.42 U5.44 U5.45 U5.46 U5.47 U5.48 U5.49 U5.56 U5.57

## Polygon pours and split planes (outlines as drawn)
GND on Top Layer "GND_L01_P002" (solid, pour order 2): 1670,3365 1670,1830 3205,1830 3435,1600 4110,1600 4110,1255 5095,1255 5095,1605 6680,1605 6680,4670 2665,4670 2665,4125 2565,4125 2095,3655 2095,3645 2090,3650 2090,3480 1785,3480
no net on Bottom Layer "NONET_L02_P003" (solid, pour order 3): 1670,3365 1670,1830 3205,1830 3435,1600 4110,1600 4110,1255 5095,1255 5095,1605 6680,1605 6680,4670 2665,4670 2655,4660 2655,4125 2565,4125 2565,4117.93 2090,3642.93 2090,3480 1785,3480

## Keep-outs
Top Layer:
  region: 2099.29,2296.69 2689.84,2296.69 2689.84,1902.99 2099.29,1902.99
Bottom Layer:
  region: 2099.29,2296.69 2689.84,2296.69 2689.84,1902.99 2099.29,1902.99

## Silkscreen, mask and mechanical layers (free items; w line width, h text height)
Top Overlay:
  text "CONNOR CARLISLE" at 4240,4225 h73
  text "Class-D Amp" at 4410,4130 h60
  text "12V PVCC" at 4495,4010 h60
  text "1" at 2765,3755 h10
  text "+" at 4490,3410 h60
  text "1" at 2245,3355 h10
  text "1" at 4365,3285 h10
  text "BM83" at 2620,3180 h15
  text "1" at 1795,3035 h10
  text "TPA3116D2DAD" at 4395,2820 h15
  text "1" at 2705,2310 h10
  text "2026" at 6135,1700 h60
  text "The Desire To Do So..." at 3525,1615 h30
Mechanical 1:
  lines w10: 1000,4975 1005,4980 ; 1670,1830 1970,1830 3205,1830 3435,1600 4110,1600 4110,1255 5095,1255 5095,1605 6680,1605 6680,4670 5675,4670 2750,4670 2665,4670 2665,4533.75 2665,4261.25 2665,4125 2565,4125 2090,3650 2090,3480 1785,3480 1670,3365 1670,2435 1670,1830

## Text inside footprints (layer, text, board x,y; h text height)
D2: Top Assembly "RefDes2" at 3585,4133.01 h50 r270
F1: Top Assembly "RefDes2" at 3408,4048.5 h50 r90
U5: Top Assembly "PCB EDGE" at 2079.61,2286.85 h32 r180